# Altium PCB imx6ull开发板.PcbDoc (part 2 of 3)
Units mil, origin at the board's own origin, x right, y up, seen from the top; angles counter-clockwise.
Board outline 3937.01 x 2952.76 mil, 4 copper layers (Top Layer, GND, PWR, Bottom Layer), stack 30.634 mil thick; 190 components, 204 nets, 893 pads, 369 vias.
Unrouted connection lines stored in the file: 1.
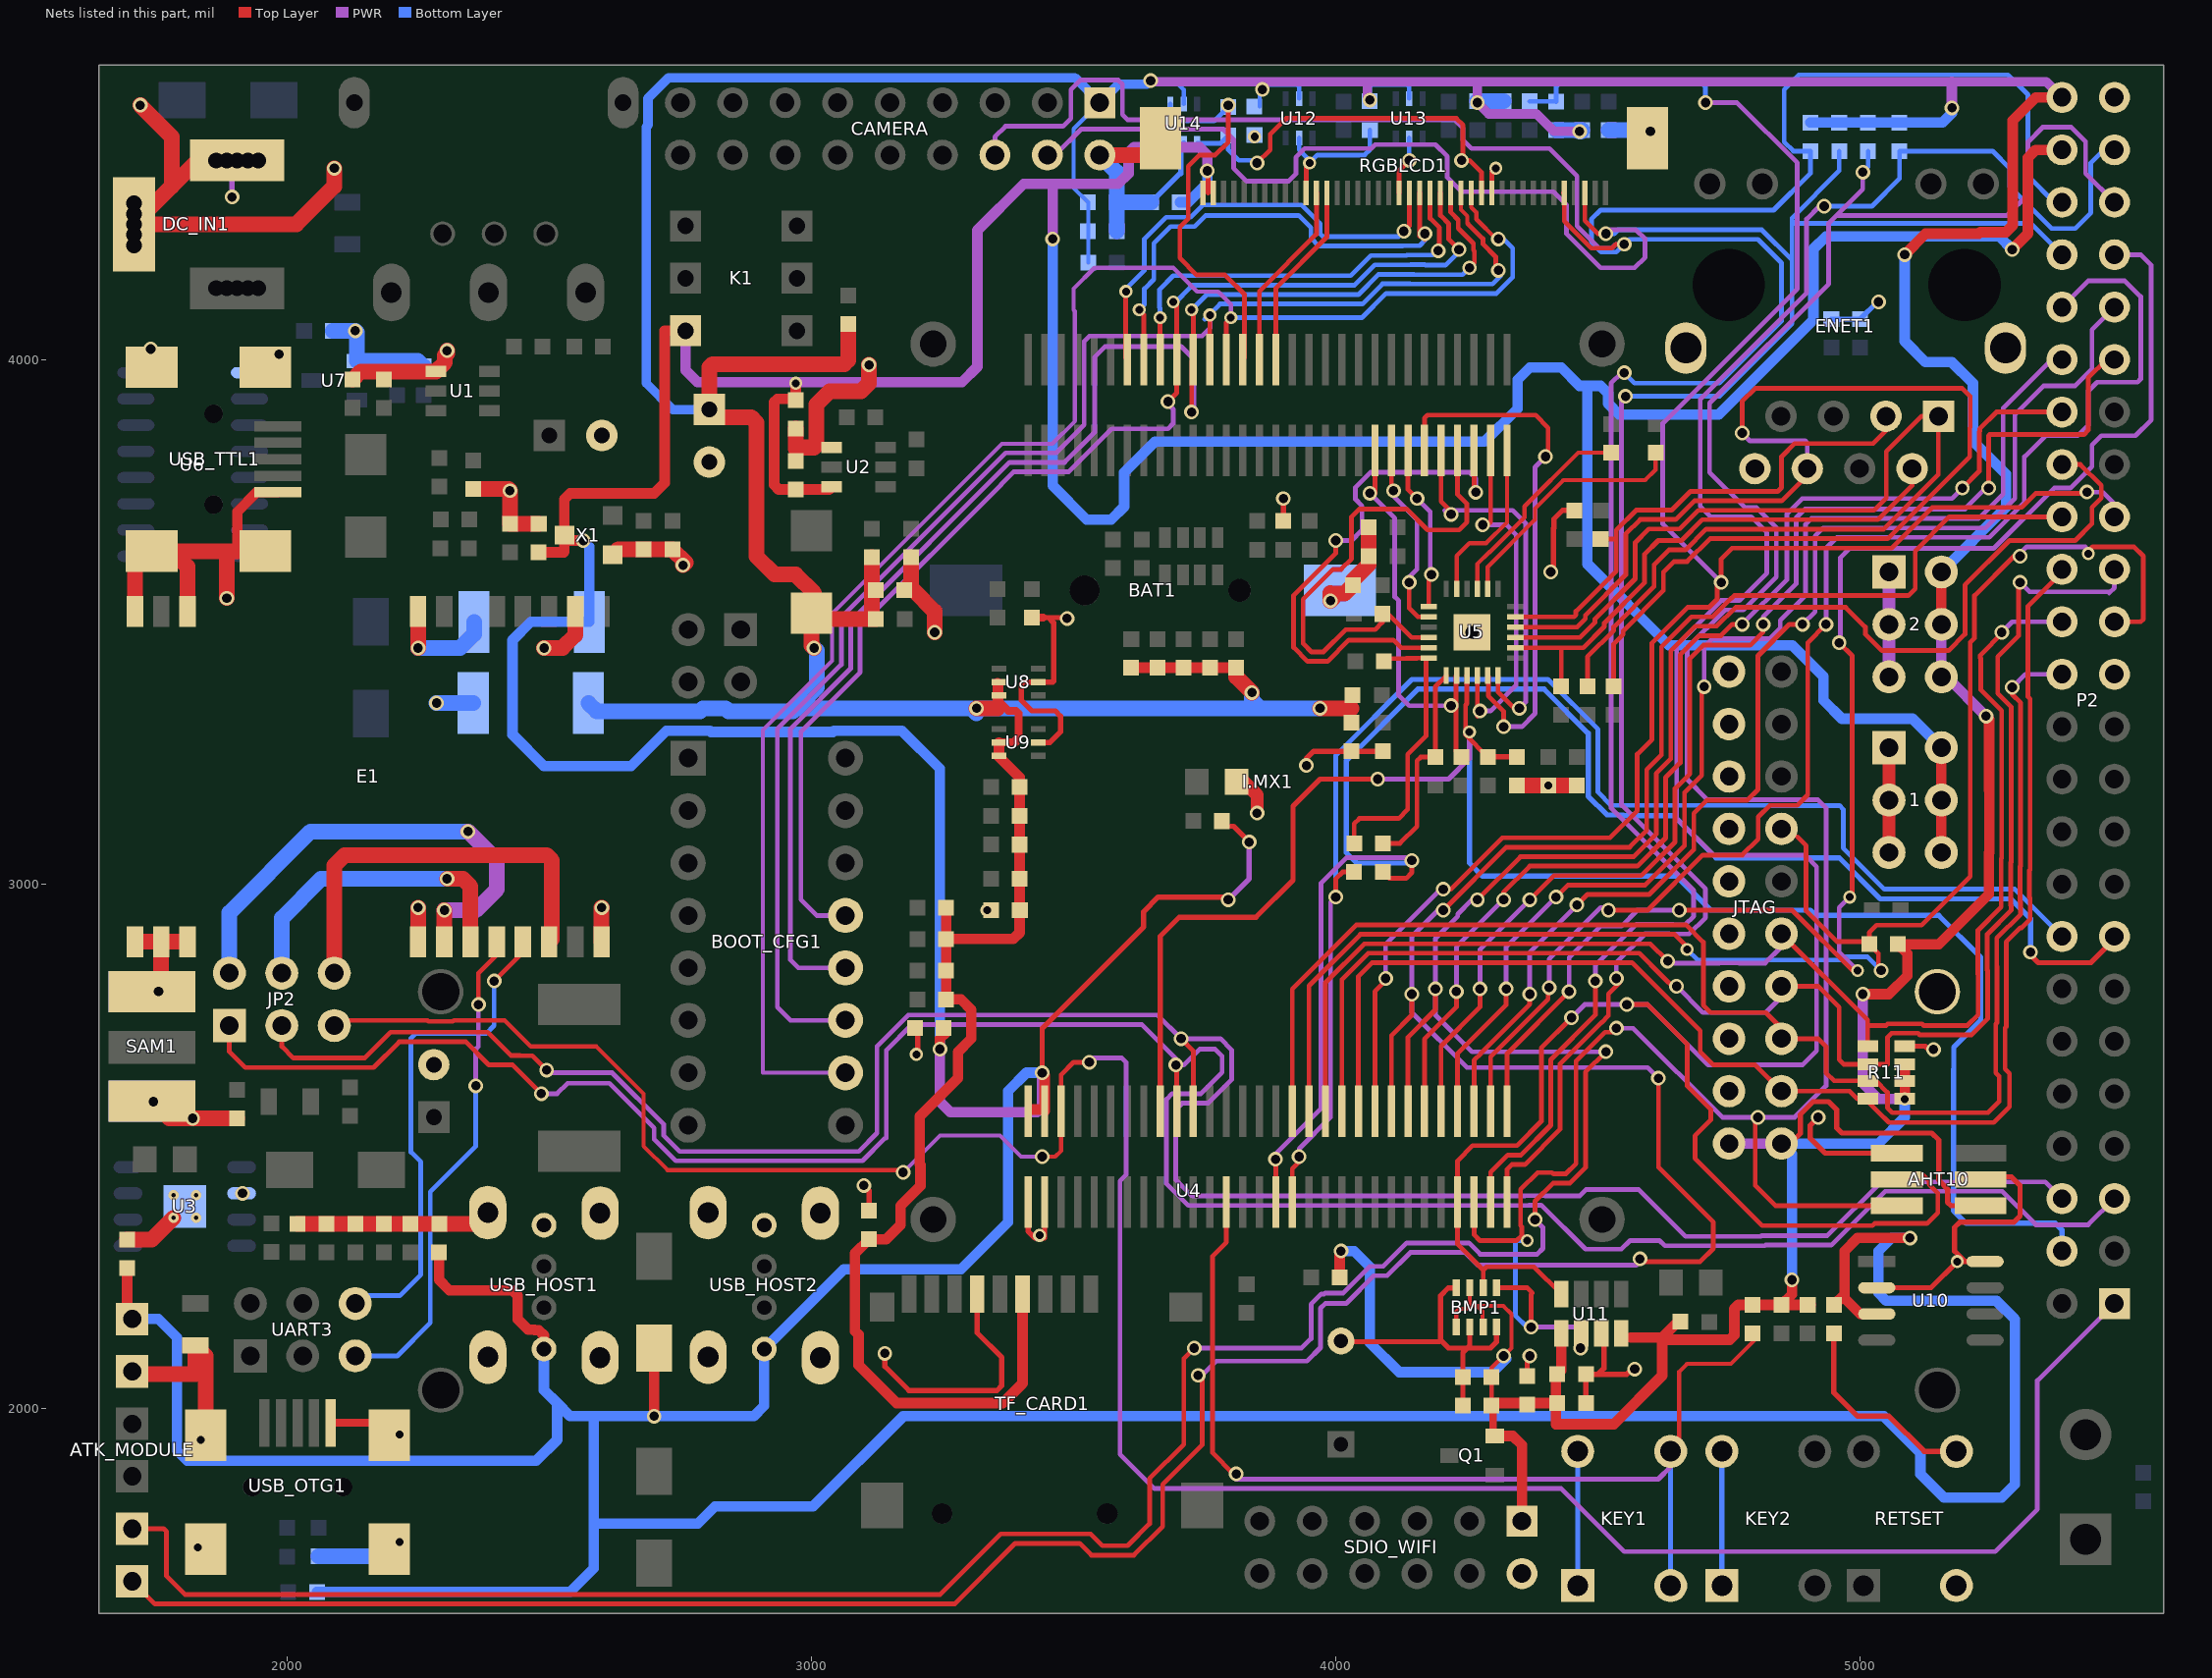
[diagram p4: the nets of this part, all layers, seen from the top]

## Via types
v1: diameter 28, hole 18, Top Layer to Bottom Layer, 322 vias
v2: diameter 25, hole 15, Top Layer to Bottom Layer, 41 vias
v3: diameter 19.68, hole 7.87, Top Layer to Bottom Layer, 4 vias
v4: diameter 50, hole 28, Top Layer to Bottom Layer, 2 vias

## Nets (pads, with @x,y where several pads share a name; then routed paths per layer and width w, separated by ;. In a path a pad name is that pad's centre, name@x,y a point inside that pad or via, vN(x,y) a via of type N, cw(c..) or ccw(c..) an arc to the next point about the centre after c; other vN are vias at no path point) (continued)
DCDC_3V3: 2.2 2.4 2.6 AHT10.4 BMP1.2 BMP1.6 BMP1.8 C6.1 C8.1 C9.2 C31.2 C32.2 C37.2 C38.2 C39.2 C40.1 C41.1 C42.2 C43.2 C47.2 C48.2 C49.2 CAMERA.1 D4.2 JTAG.1 JTAG.2 L2.2 L4.2 P2.48 Q1.2 R6.1 R7.1 R8.1 R9.1 R10.1 R11.1 R11.3 R11.5 R12.1 R13.1 R14.1 R15.1 R16.1 R17.1 R18.1 R20.1 R25.1 R49.2 R52.2 R53.2 R54.1 R55.2 R56.2 R57.2 R58.2 R59.2 R60.2 R61.2 R62.1 R69.2 R70.2 R72.2 R73.2 SDIO_WIFI.1 TF_CARD1.4 U8.5 U8.6 U9.5 U9.6 U11.1 U11.4 U12.5 U13.5 U14.5 | length 16696.1
  Top Layer w8: U8.5@3355,3382.4 U8.5@3357.6,3385 ; BMP1.8@4229.98,2155.04 4229.98,2184.98 4235,2190 4250,2190 4255.57,2195.57 ; BMP1.2@4255.57,2229.84 4255.57,2195.57 ; BMP1.6@4281.16,2155.04 4280,2156.2 4280,2185 4269.43,2195.57 ; U11.1@4435,2147.94 U11.1@4435,2150 ; 4255.57,2195.57 4269.43,2195.57 ; 4269.43,2195.57 4319.43,2195.57 4335,2180 4335,2115 4297,2077 C41.1@4297,2060 C40.1@4297,2005 ; C40.1@4297,2005 4297,1953.71 Q1.2@4303.31,1947.4 4303.31,1998.69 C40.1@4297,2005
  Top Layer w10: JTAG.1@4850,2505 4867,2505 4886,2524 4886,2560.6 4910.4,2585 4940,2585 4955,2570 4955,2535 4965,2525 5136.5,2525 5150,2511.5 5150,2435 5166.79,2418.21 5166.79,2393.21 5173.43,2386.57 AHT10.4@5230,2386.57
  Top Layer w15: 3355.87,3350 3375.87,3330 3390,3330 3395,3325 3395,3280 3390,3275 3390,3270 U9.5@3357.6,3270
  Top Layer w20: R15.1@3257,2955 R16.1@3257,2895 ; U8.5@3355,3382.4 3355.87,3381.53 3355.87,3350 ; U9.5@3357.6,3270 U9.6@3357.6,3244.41 3357.6,3242.4 3397,3203 R10.1@3397,3185 R12.1@3397,3130 R13.1@3397,3075 R14.1@3397,3010 3397,2907 3385,2895 R16.1@3257,2895 ; TF_CARD1.4@3402.72,2217.64 3402.72,2047.72 3365,2010 3162.53,2010 3090,2082.53 3090,2140.47 3083,2147.47 3083,2295.56 C43.2@3109.94,2322.5 3142.5,2322.5 3169.9,2349.9 3169.9,2386.27 3170,2386.27 3208,2424.27 3208,2463.67 3206.5,2465.17 3206.5,2556.82 3279.42,2629.73 3279.42,2679.42 3305,2705 3305,2760 3285,2780 R20.1@3257,2780 R18.1@3257,2835 R16.1@3257,2895 ; R57.2@3609.94,3412.5 R60.2@3709.94,3412.5 R56.2@3759.94,3412.5 R55.2@3799.94,3412.5 ; R61.2@4007.5,2249.94 4007.5,2297.5 v1(4010,2300) ; C40.1@4297,2005 4302.06,2010.06 C39.2@4420,2010.06 ; Q1.2@4303.31,1947.4 4337.6,1947.4 4355,1930 SDIO_WIFI.1@4355,1785 ; C39.2@4422.5,2010.06 C39.2@4420,2010.06 ; U11.1@4430,2142.94 4430,2072.56 C37.2@4422.5,2065.06 4420,2062.56 C39.2@4420,2010.06 ; 4562.51,2135 4622.44,2135 ; R49.2@4652.5,2165.06 4622.44,2135 ; v1(4870,2245) 4870,2217.44 R53.2@4850.06,2197.5 ; R58.2@4905.06,2197.5 R58.2@4900.06,2197.5 R53.2@4850.06,2197.5 ; v1(5005,2790) 5054.72,2790 5090,2825.28 5090,2867 R17.1@5072,2885 5150,2885 5245.47,2980.47 5245.47,3058.82 5246.5,3059.85 5246.5,3179.38 5246.06,3178.94 5246.06,3313.94 v1(5240,3320) ; v1(5085,4200) 5125,4240 5226,4240 5229,4243 5278,4243 5291,4256 5291,4456 5335,4500 P2.48@5385,4500 ; R11.1@5085.2,2590.23 R11.3@5085.2,2624.68 R11.5@5085.2,2656.18 ; 2.4@5155,3495 2.2@5155,3595 ; C39.2@4420,2010.06 4420,1970 4530,1970 4622.44,2062.44 4622.44,2135 ; 4622.44,2135 4626.43,2131 4751,2131 4760,2140 4760,2190 4767.5,2197.5 R52.2@4795.06,2197.5 R53.2@4850.06,2197.5
  Top Layer w30: v1(3005,3450) 3000,3455 L2.2@3000,3516.26 ; R62.1@3070,4068 3070,3999 3062.44,3991.44 2811.44,3991.44 2805.23,3985.23 C8.1@2805.23,3904.58 2819.8,3890 2885,3890 2895,3880 2895,3625 2930,3590 2970,3590 3005,3555 3005,3521.26 L2.2@3000,3516.26 ; R25.1@3115,3623 3115,3513 C6.1@3123,3505 3011.26,3505 L2.2@3000,3516.26 ; v1(3315,3335) 3355,3335 ; R55.2@3809.94,3412.5 3809.94,3395.06 v1(3840,3365) ; v1(3970,3335) 4030.06,3335
  PWR w18: v1(3646.95,4531.95) 3645,4530 4060,4530 ; v1(4065,4495) 4060,4500 4060,4530 ; v1(4465,4435) 4416.13,4435 4382.63,4468.5 4291.5,4468.5 v1(4270,4490) 4270,4530 ; P2.48@5385,4500 5355,4530 5175,4530 4270,4530 ; 4060,4530 4270,4530
  PWR w20: JTAG.2@4750,2505 JTAG.1@4850,2505 ; v1(5005,2790) 5005,2620 5035,2590 v2(5085,2590) ; 2.4@5155,3495 2.6@5155,3395 5165,3395 v1(5240,3320) ; v1(5175,4480) 5175,4530
  Bottom Layer w8: R54.1@3528,4185 3528,4299.43 C49.2@3527.5,4299.94 3500,4327.44 3500,4440 CAMERA.1@3550,4490 ; v1@3646.95,4525 3700,4525 3710,4515 U14.5@3710,4487.4 ; C47.2@3854.94,4482.5 3854.94,4509.94 v1(3860,4515) 3869.18,4524.18 3926.2,4524.18 3930,4520.38 U12.5@3930,4497.4 ; C48.2@4064.94,4495 4064.94,4520.31 4068.8,4524.18 4136.2,4524.18 4140,4520.38 U13.5@4140,4497.4
  Bottom Layer w18: C8.1@2805.23,3904.58 2735.42,3904.58 2685,3955 2685,4444.08 2688.28,4447.35 2688.28,4498.28 2727.53,4537.53 3502.47,4537.53 CAMERA.1@3550,4490 3585,4525 3640,4525 v1(3646.95,4531.95)
  Bottom Layer w20: v1(4010,2300) 4035,2300 4065,2270 4065,2125 4121,2069 4299,2069 4325,2095 v1(4320,2100) ; v1(4870,2245) 4870.06,2245.06 4870.06,2484.94 JTAG.1@4850,2505 5035,2505 5085,2555 v2(5085,2590) ; R7.1@4905,4452 R6.1@4960,4452 R9.1@5075,4452 5157,4452 5175,4470 v1(5175,4480) ; v1(5085,4200) 5085,4035 5125,3995 5175,3995 5215,3955 5215,3844.67 5278,3781.67 5278,3718 2.2@5155,3595
  Bottom Layer w30: D4.2@2575,3345 2590.5,3329.5 2787.99,3329.5 2793.48,3335 2836.52,3335 2842.01,3329.5 2964.5,3329.5 ; v1(3005,3450) 3010,3445 3010,3375 2970,3335 3305,3335 3315,3325 v1(3315,3335) 3855,3335 ; v1(3840,3365) 3840,3350 3855,3335 ; v1(3970,3335) 3855,3335 ; R73.2@4270,4492.5 R72.2@4319.94,4492.5 ; R70.2@4420.06,4437.5 R69.2@4470.06,4437.5 4467.56,4435 v1(4465,4435)
DCDC_5V: 1.2 1.4 1.6 ATK_MODULE.6 C1.1 C10.2 C11.2 C21.2 C36.2 C45.2 C46.2 C50.2 D3.2 D7.1 I.MX1.J2_1 I.MX1.J2_2 K1.3 P2.46 R36.1 R80.2 RGBLCD1.1 RGBLCD1.2 U2.3 U10.3 USB_HOST1.1 USB_HOST2.1 X1.3 | length 18465.3
  Top Layer w10: v1(3440,2640) 3440,2724.6 3633.5,2918.1 3633.5,2947.34 3661.16,2975 3790,2975 v1(3795,2970) ; v1(3755,4360) 3755,4362.03 3756.49,4363.52 3756.49,4317.79 ; 3800,3110 3805,3110 v1(3835,3080)
  Top Layer w20: ATK_MODULE.6@1694.94,2180.06 C46.2@1694.94,2267.5 ; C21.2@2289.94,2297.5 2289.94,2244.94 2309.87,2225 2430,2225 2440,2215 2440,2170 2460,2150 2471.66,2150 2472.35,2149.31 2480,2149.31 2490,2139.31 USB_HOST1.1@2490,2113.19 ; C45.2@2479.94,3632.5 2527.5,3632.5 2528.74,3633.74 X1.3@2528.74,3665 ; v1(2565,3655) 2538.74,3655 X1.3@2528.74,3665 ; v1(2700,1985) D7.1@2700,2115 ; K1.3@2760,4055 2720,4055 2720,3765 2700,3745 2540,3745 2528.74,3733.74 X1.3@2528.74,3665 ; v2(2970.06,3954.94) C10.2@2970.06,3922.5 2967.56,3925 2935,3925 2929,3919 2929,3761 2937.5,3752.5 C11.2@2969.94,3752.5 3033.72,3752.5 U2.3@3038.82,3757.6 ; v1(3245,2685) 3245,2705 3257,2717 C1.1@3257,2725 ; I.MX1.J2_1@3419.37,2570 I.MX1.J2_2@3444.8,2570 ; v1(3440,2640) 3444.8,2635.2 I.MX1.J2_2@3444.8,2570 ; I.MX1.J2_2@3444.8,2567.05 I.MX1.J2_2@3444.8,2570 ; C36.2@4950.06,2197.5 4970,2217.44 ; U10.3@5031.65,2180 5000,2180 4970,2210 4970,2217.44 ; v1(5095,2325) 4995,2325 4970,2300 4970,2217.44 ; 1.6@5155,3060 1.4@5155,3160 1.2@5155,3260 ; v1(5290,4210) 5320,4240 5320,4385 5335,4400 P2.46@5385,4400
  PWR w10: v1(3795,2970) 3835,3010 v1(3835,3080)
  PWR w20: K1.3@2760,4055 2760,3980 2783,3957 3287,3957 3316.53,3986.53 3316.53,4246.53 3405,4335 3465,4335 ; v1(3245,2685) 3245,2585 3265,2565 3430,2565 3440,2575 v1(3440,2640) ; v1(3460,4230) 3460,4330 3465,4335 ; v1(3755,4360) 3755,4390 3740,4405 3615,4405 3605,4395 3605,4355 3585,4335 3465,4335
  Bottom Layer w20: ATK_MODULE.6@1704.58,2170.43 1754.58,2170.43 1790,2135 1790,1920 1810,1900 2475,1900 2515,1940 2515,2010 ; R36.1@2057,1650 2540,1650 2585,1695 2585,1780 ; USB_HOST1.1@2490,2113.19 2490,2035 2515,2010 ; v1(2565,3655) 2576.47,3643.53 D3.2@2576.47,3499.8 2464.8,3499.8 2430,3465 2430,3285 2490,3225 2656.2,3225 2723.67,3292.46 2806.33,3292.46 2808.8,3290 3040.8,3290 3043.27,3292.46 3172.46,3292.46 3245,3219.93 v1(3245,2685) ; v1(3440,2640) 3410,2640 3375,2605 3375,2355 3285,2265 3061.81,2265 USB_HOST2.1@2910,2113.19 2910,2005 2890,1985 v1(2700,1985) 2585,1985 ; v1(3460,4230) 3460,3760 3525,3695 3571.77,3695 3596.5,3719.73 3596.5,3784.73 3655.27,3843.5 4283.5,3843.5 4346.5,3906.5 4346.5,3961.5 4370,3985 4430,3985 4465,3950 4480,3950 ; C50.2@3702.5,4300.06 3718.36,4300.06 3755,4336.71 v1(3755,4360) ; v1(5095,2325) 5060,2325 5035,2300 5035,2220 5050,2205 5260,2205 5295,2170 5295,1855 5270,1830 5160,1830 5115,1875 5115,1915 5045,1985 3175,1985 3003,1813 2816.33,1813 2783.33,1780 2585,1780 ; 1.2@5155,3260 5100,3315 4965,3315 4930,3350 4930,3395.71 4870.71,3455 4635,3455 4480,3610 4480,3950 ; v1(5290,4210) 5265,4235 4935,4235 4911,4211 4911,4076 4730,3895 4540.83,3895 4519.5,3916.33 4519.5,3935.5 4505,3950 4480,3950 ; 2515,2010 2540,1985 2585,1985 ; 2585,1780 2585,1985
E22_AUX: E1.9 JP2.6 | length 789.6
  Top Layer w30: JP2.6@2090,2830 2090,3035 2110,3055 2495,3055 2505,3045 2505,2895.24 E1.9@2499.76,2890
E22_AUX_SNVS_TAMPER4: I.MX1.J2_3 JP2.5 P2.1 | length 4968.3
  Top Layer w8: JP2.5@2090,2730 2100,2740 2267.77,2740 2269.63,2738.14 2316.28,2738.14 2318.13,2740 2415,2740 2465,2690 2590,2690 2680,2600 2680,2500 2725.52,2454.48 3170.52,2454.48 v1(3175,2450) ; v1(3440,2480) 3465,2480 3476.3,2491.3 I.MX1.J2_3@3476.3,2567.05
  Top Layer w9: I.MX1.J2_3@3476.3,2567.05 3476.3,2636.3 3500,2660 v1(3530,2660)
  PWR w8: v1(3175,2450) 3245.32,2520.32 3359.68,2520.32 3400,2480 v1(3440,2480)
  PWR w9: v1@3530,2668 3592,2668 3600,2660 3600,2445 3588.5,2433.5 3588.5,1912.61 3654.11,1847 4430,1847 4550,1727 5257.46,1727 5338,1807.54 5338,2053 P2.1@5485,2200
E22_M0: E1.5 JP2.2 | length 943.7
  Top Layer w30: E1.5@2299.76,2890 2299.76,2949.76 v1(2300,2950)
  PWR w30: v1(2300,2950) 2360,2950 2400,2990 2400,3045 v1(2345,3100)
  Bottom Layer w30: JP2.2@1890,2830 1890,2945 2045,3100 v1(2345,3100)
E22_M0_SNVS_TAMPER7: I.MX1.J2_10 JP2.1 P2.5 | length 4731.7
  Top Layer w9: JP2.1@1890,2730 1890,2680 1920,2650 2165,2650 2213.92,2698.92 2341.08,2698.92 2385,2655 2430,2655 v1(2485,2600) ; v1(3695,2655) 3696.77,2653.23 I.MX1.J2_10@3696.77,2567.05
  PWR w9: v1(2485,2600) 2515,2600 2535,2620 2614.54,2620 2700.04,2534.51 2700.04,2513.09 2741.13,2472 3097.46,2472 3140.46,2515 3143,2515 3143,2683 3192,2732 3630,2732 3695,2667 v1(3695,2655) 3710,2655 3740,2685 3770,2685 3783.27,2671.73 3783.27,2640.58 3742.69,2600 3687.54,2600 3677,2589.46 3677,2428.46 3718.46,2387 4368.11,2387 4368.61,2387.5 4391.39,2387.5 4391.89,2387 4393,2387 4476.45,2303.55 4544.66,2303.55 4561.11,2320 4617.5,2320 4627.5,2310 4818.38,2310 4819.88,2311.5 4945.15,2311.5 5047.65,2414 5271,2414 5335,2350 5435,2350 P2.5@5485,2400
E22_M1: E1.6 JP2.4 | length 607.2
  Top Layer w30: v1(2305,3010) 2335,3010 2349.76,2995.24 E1.6@2349.76,2890
  Bottom Layer w30: JP2.4@1990,2830 1990,2935 2065,3010 v1(2305,3010)
E22_M1_SNVS_TAMPER5: I.MX1.J2_11 JP2.3 P2.6 | length 4489.6
  Top Layer w9: JP2.3@1990,2730 1990,2690 2012,2668 2148,2668 2197.5,2717.5 2382.5,2717.5 2427,2673 2444.5,2673 2445,2672.5 2467.5,2672.5 v1(2495,2645) ; v1(3705,2705) 3728.27,2681.73 I.MX1.J2_11@3728.27,2567.05
  PWR w9: v1(2495,2645) 2500,2640 2620,2640 2718.04,2541.96 2718.04,2520.55 2748.58,2490 3090,2490 3125,2525 3125,2690.46 3184.54,2750 3660,2750 v1(3705,2705) 3780,2705 3801.27,2683.73 3801.27,2626.85 3756.41,2582 3707,2582 3695,2570 3695,2435.91 3725.91,2405 4360.65,2405 4361.15,2405.5 4398.85,2405.5 4399.35,2405 4465,2405 4477.16,2417.16 4577.84,2417.16 4667,2328 4810.93,2328 4812.43,2329.5 4937.69,2329.5 5040.19,2432 5353,2432 P2.6@5385,2400
E22_RXD: E1.7 UART3.5 | length 948.6
  Top Layer w9: v1(2365,2770) 2365,2830 2399.76,2864.76 E1.7@2399.76,2890
  PWR w9: v1(2360,2615) 2360,2685 2365,2690 v1(2365,2770)
  Bottom Layer w9: UART3.5@2130,2100 2210,2100 2273,2163 2273,2413 2360,2500 v1(2360,2615)
E22_TXD: E1.8 UART3.6 | length 958.1
  Top Layer w9: v1(2395,2815) 2449.76,2869.76 E1.8@2449.76,2890
  Bottom Layer w9: UART3.6@2130,2200 2145,2215 2215,2215 2255,2255 2255,2470 2236.27,2488.73 2236.27,2706.27 2245,2715 2380,2715 2395,2730 v1(2395,2815)
ENET1_CRS_DV: I.MX1.J2_25 P2.36 | length 2232.7
  Top Layer w9: I.MX1.J2_25@4169.21,2567.05 4169.21,2704.21 4230,2765 v1(4230,2795) ; v1(4320,2970) 4320,2984 4370,3034 4575.37,3034 4629,3087.63 4629,3203.09 4657,3231.09 4657,3437.46 4693.04,3473.5 4734.76,3473.5 4756.26,3495 v1(4775,3495) ; v1(5195,3755) 5227,3787 5227,3862.46 5228,3863.46 5228,3868 5260,3900 P2.36@5385,3900
  PWR w9: v1(4230,2795) 4230,2880 v1(4320,2970) ; v1(4775,3495) 4860,3580 4860,3705.46 4889.54,3735 5175,3735 v1(5195,3755)
ENET1_RXD0: I.MX1.J2_26 P2.37 | length 2418.3
  Top Layer w9: I.MX1.J2_26@4200.71,2567.05 4200.71,2690.71 4275,2765 v1(4275,2800) ; v1(4370,2970) 4416,3016 4582.82,3016 4647,3080.18 4647,3182 4675,3210 4675,3430 4700.5,3455.5 4790.5,3455.5 4815,3480 v1(4815,3495) ; v1(5245,3755) 5245,3855 5246.97,3856.97 5426.97,3856.97 5435,3865 5435,3965 5470,4000 P2.37@5485,4000
  PWR w9: v1(4275,2800) 4275,2875 v1(4370,2970) ; v1(4815,3495) 4815,3509.54 4878,3572.54 4878,3698 4895,3715 5200,3715 5245,3760 v1(5245,3755)
ENET1_RXD1: ATK_MODULE.2 I.MX1.J2_24 P2.34 | length 6560.9
  Top Layer w9: ATK_MODULE.2@1704.58,1770.42 1764.58,1770.42 1770,1765 1770,1680 1804.88,1645.12 3245.58,1645.12 3360.96,1760.5 3532.5,1760.5 3555,1738 3603,1738 3645,1780 3645,1866.11 3710,1931.11 3710,2095 v1(3730,2115) ; I.MX1.J2_24@4137.72,2567.05 4137.72,2707.72 4190,2760 v1(4190,2800) ; v1(4270,2970) 4352,3052 4567.91,3052 4611,3095.09 4611,3210.54 4639,3238.54 4639,3444.91 4685.59,3491.5 4726.3,3491.5 4762.3,3527.5 4972.5,3527.5 5010,3490 5010,3476.36 5041.37,3445 5168.63,3445 5200,3476.36 5200,3570 5285,3655 5410,3655 5441.97,3686.97 5441.97,3717.82 5460,3735.85 5460,3760 5420,3800 P2.34@5385,3800 ; v1(4380,2360) 4380,2395 4414.26,2429.26 4446.31,2429.26 4476.29,2459.24 4476.29,2641.29 v1(4515,2680)
  PWR w9: v1(3730,2115) 3935,2115 3952.91,2132.91 3952.91,2198.37 3972.54,2218 3978,2218 3980,2220 4014.09,2220 4065.09,2271 4090.54,2271 4135.04,2315.5 4253.85,2315.5 4275.35,2294 4384,2294 4395,2305 4395,2345 v1(4380,2360) ; v1(4270,2970) 4260,2970 4232.5,2942.5 4232.5,2938.61 4190,2896.11 v1(4190,2800) 4190,2750 4260,2680 v1@4505,2680
ENET1_RXER: I.MX1.J2_30 P2.41 | length 2899.5
  Top Layer w9: I.MX1.J2_30@4326.69,2567.05 4326.69,2676.69 v1(4445,2795) ; v1(4655,2950) 4870.46,2950 v2@4990.46,2830 ; v1(4960,3460) 4985,3435 v2@4985,2970
  PWR w9: v1(4445,2795) 4445,2860 4505,2920 4545,2920 4575,2950 v1(4655,2950) ; v1(4960,3460) 4962.5,3462.5 4962.5,3622.5 4980,3640 5255,3640 5370,3755 5400.85,3755 5441.97,3796.12 5441.97,3836.97 5460,3855 5525,3855 5555,3885 5555,4180 5535,4200 P2.41@5485,4200 ; v2(4980,2975) 4960,2955 4960,2870 v2(4995,2835)
ENET1_TX_CLK: I.MX1.J2_29 P2.40 | length 2635.6
  Top Layer w9: I.MX1.J2_29@4295.2,2567.05 4295.2,2670.65 4405,2780.46 4405,2800.5 v1(4407,2802.5) ; v1(4520,2950) 4595,2950 4700,3055 4775,3055 4805.5,3085.5 4805.5,3127.93 4827.57,3150 4880,3150 4900,3170 4900,3460 v1(4935,3495)
  PWR w9: v1(4407,2802.5) 4407,2857 4505,2955 4515,2955 v1(4520,2950) ; v1(4935,3495) 4935,3640 4956,3661 5246.46,3661 5313,3727.54 5313,3815 5313.94,3815 5353.94,3855 5415,3855 5435.23,3875.23 5435.23,3940.23 5451.97,3956.97 5528.97,3956.97 5535,3963 5535,4120 5505,4150 5435,4150 P2.40@5385,4100
ENET1_TXD0: ATK_MODULE.1 I.MX1.J2_23 P2.32 | length 6629.5
  Top Layer w9: ATK_MODULE.1@1704.58,1670.42 1747.88,1627.12 3273.23,1627.12 3388.61,1742.5 3511.39,1742.5 3533.89,1720 3615,1720 3670,1775 3670,1855 3745,1930 3745,2055.5 v1(3737.5,2063) ; I.MX1.J2_23@4106.22,2567.05 4106.22,2711.22 4145,2750 v1(4145,2790) ; v1(4205,2950) 4325,3070 4560.46,3070 4593,3102.54 4593,3218 4621,3246 4621,3452.37 4678.13,3509.5 4718.85,3509.5 4754.85,3545.5 4755.5,3545.5 4760,3550 5092.09,3550 5105,3562.92 5105,3635 5170,3700 P2.32@5385,3700 ; v1(4580,2285) 4580,2290 4590,2280 4695,2280 4720,2305 4720,2355 4615.39,2459.61 v1(4615.39,2629.61)
  PWR w9: v1(3737.5,2063) 3745,2063 3772,2090 3945,2090 3970.91,2115.91 3970.91,2190.91 3980,2200 4019.54,2200 4072.54,2253 4098,2253 4142.5,2297.5 4246.39,2297.5 4270.89,2273 4573,2273 4580,2280 v1(4580,2285) ; v1(4205,2950) 4195,2950 4145,2900 v1(4145,2790) 4145,2755 4250,2650 4595,2650 v1@4620,2625
ENET1_TXD1: I.MX1.J2_28 P2.39 | length 2384.3
  Top Layer w9: I.MX1.J2_28@4263.7,2567.05 4263.7,2663.7 4277.2,2677.2 4277.2,2678.11 4370,2770.91 v1(4370,2790) ; v1(4460,2960) 4480,2980 4597.73,2980 4683,3065.27 4683,3135 4708,3160 4785,3160 4805,3180 4805,3435 4865,3495 v1(4890,3495)
  PWR w9: v1(4370,2790) 4370,2870 v1(4460,2960) ; v1(4890,3495) 4914,3519 4914,3664 4929,3679 5239,3679 5295,3735 5295,3895 5350,3950 5410,3950 5441.97,3981.97 5441.97,4056.97 P2.39@5485,4100
ENET1_TXEN: I.MX1.J2_27 P2.38 | length 2259.7
  Top Layer w9: I.MX1.J2_27@4232.2,2567.05 4232.2,2676.75 4325,2769.54 v1(4325,2800) ; v1(4420,2975) 4443,2998 4590.28,2998 4665,3072.72 4665,3174.54 4697.73,3207.27 4697.73,3371.36 v1(4702.5,3376.13)
  PWR w9: v1(4325,2800) 4325,2880 v1(4420,2975) ; v1(4702.5,3376.13) 4702.5,3452.5 4717.5,3467.5 4827.5,3467.5 4847.5,3487.5 4847.5,3502.5 4896,3551 4896,3686 4907,3697 5225.89,3697 5272.5,3743.61 5272.5,3907.5 5365,4000 P2.38@5385,4000
ENET2_CRS_DV: I.MX1.J1_33 U5.11 | length 1030.1
  Top Layer w9: v1(4000,3655) 4000,3630.76 3919.5,3550.26 3919.5,3451.15 3946.15,3424.5 3984.5,3424.5 4025,3465 4110,3465 4124.53,3450.47 U5.11@4177.28,3450.47 ; I.MX1.J1_33@4263.7,3826.89 4263.7,3746.3 4266.3,3746.3 v1(4266.95,3746.95)
  PWR w9: v1(4000,3655) 4030,3655 4050,3675 4050,3721.11 4037.5,3733.61 4037.5,3756.39 4066.11,3785 4255,3785 4266.95,3773.05 v1(4266.95,3746.95)
ENET2_INT_TREE#: I.MX1.J1_39 R44.1 U5.14 | length 782.4
  Top Layer w9: v1(4065,3745) 4065,3735 4074.72,3744.72 I.MX1.J1_39@4074.72,3826.89 ; U5.14@4230.47,3397.28 4229.5,3396.3 4229.5,3301.27 4229,3300.77 4229,3253 R44.1@4240,3242
  PWR w9: v1(4065,3745) 4112.5,3697.5 4112.5,3547.5 4120,3540 4120,3360 4140,3340 v1(4220,3340)
ENET2_LED1: R48.2 U5.3 | length 402.6
  Top Layer w8: U5.3@4269.84,3562.72 4269.84,3609.84 4293,3633 4293.96,3633 4360,3699.04 4360,3720 4462.5,3822.5 R48.2@4524.94,3822.5
ENET2_LED2: R47.2 U5.2 | length 483.9
  Top Layer w8: U5.2@4289.53,3562.72 4289.53,3604.53 4380,3695 4380,3715.96 4434.04,3770 4590,3770 4609.94,3789.94 R47.2@4609.94,3822.5